# Allegro board BeagleBoard-xM.brd (continued)
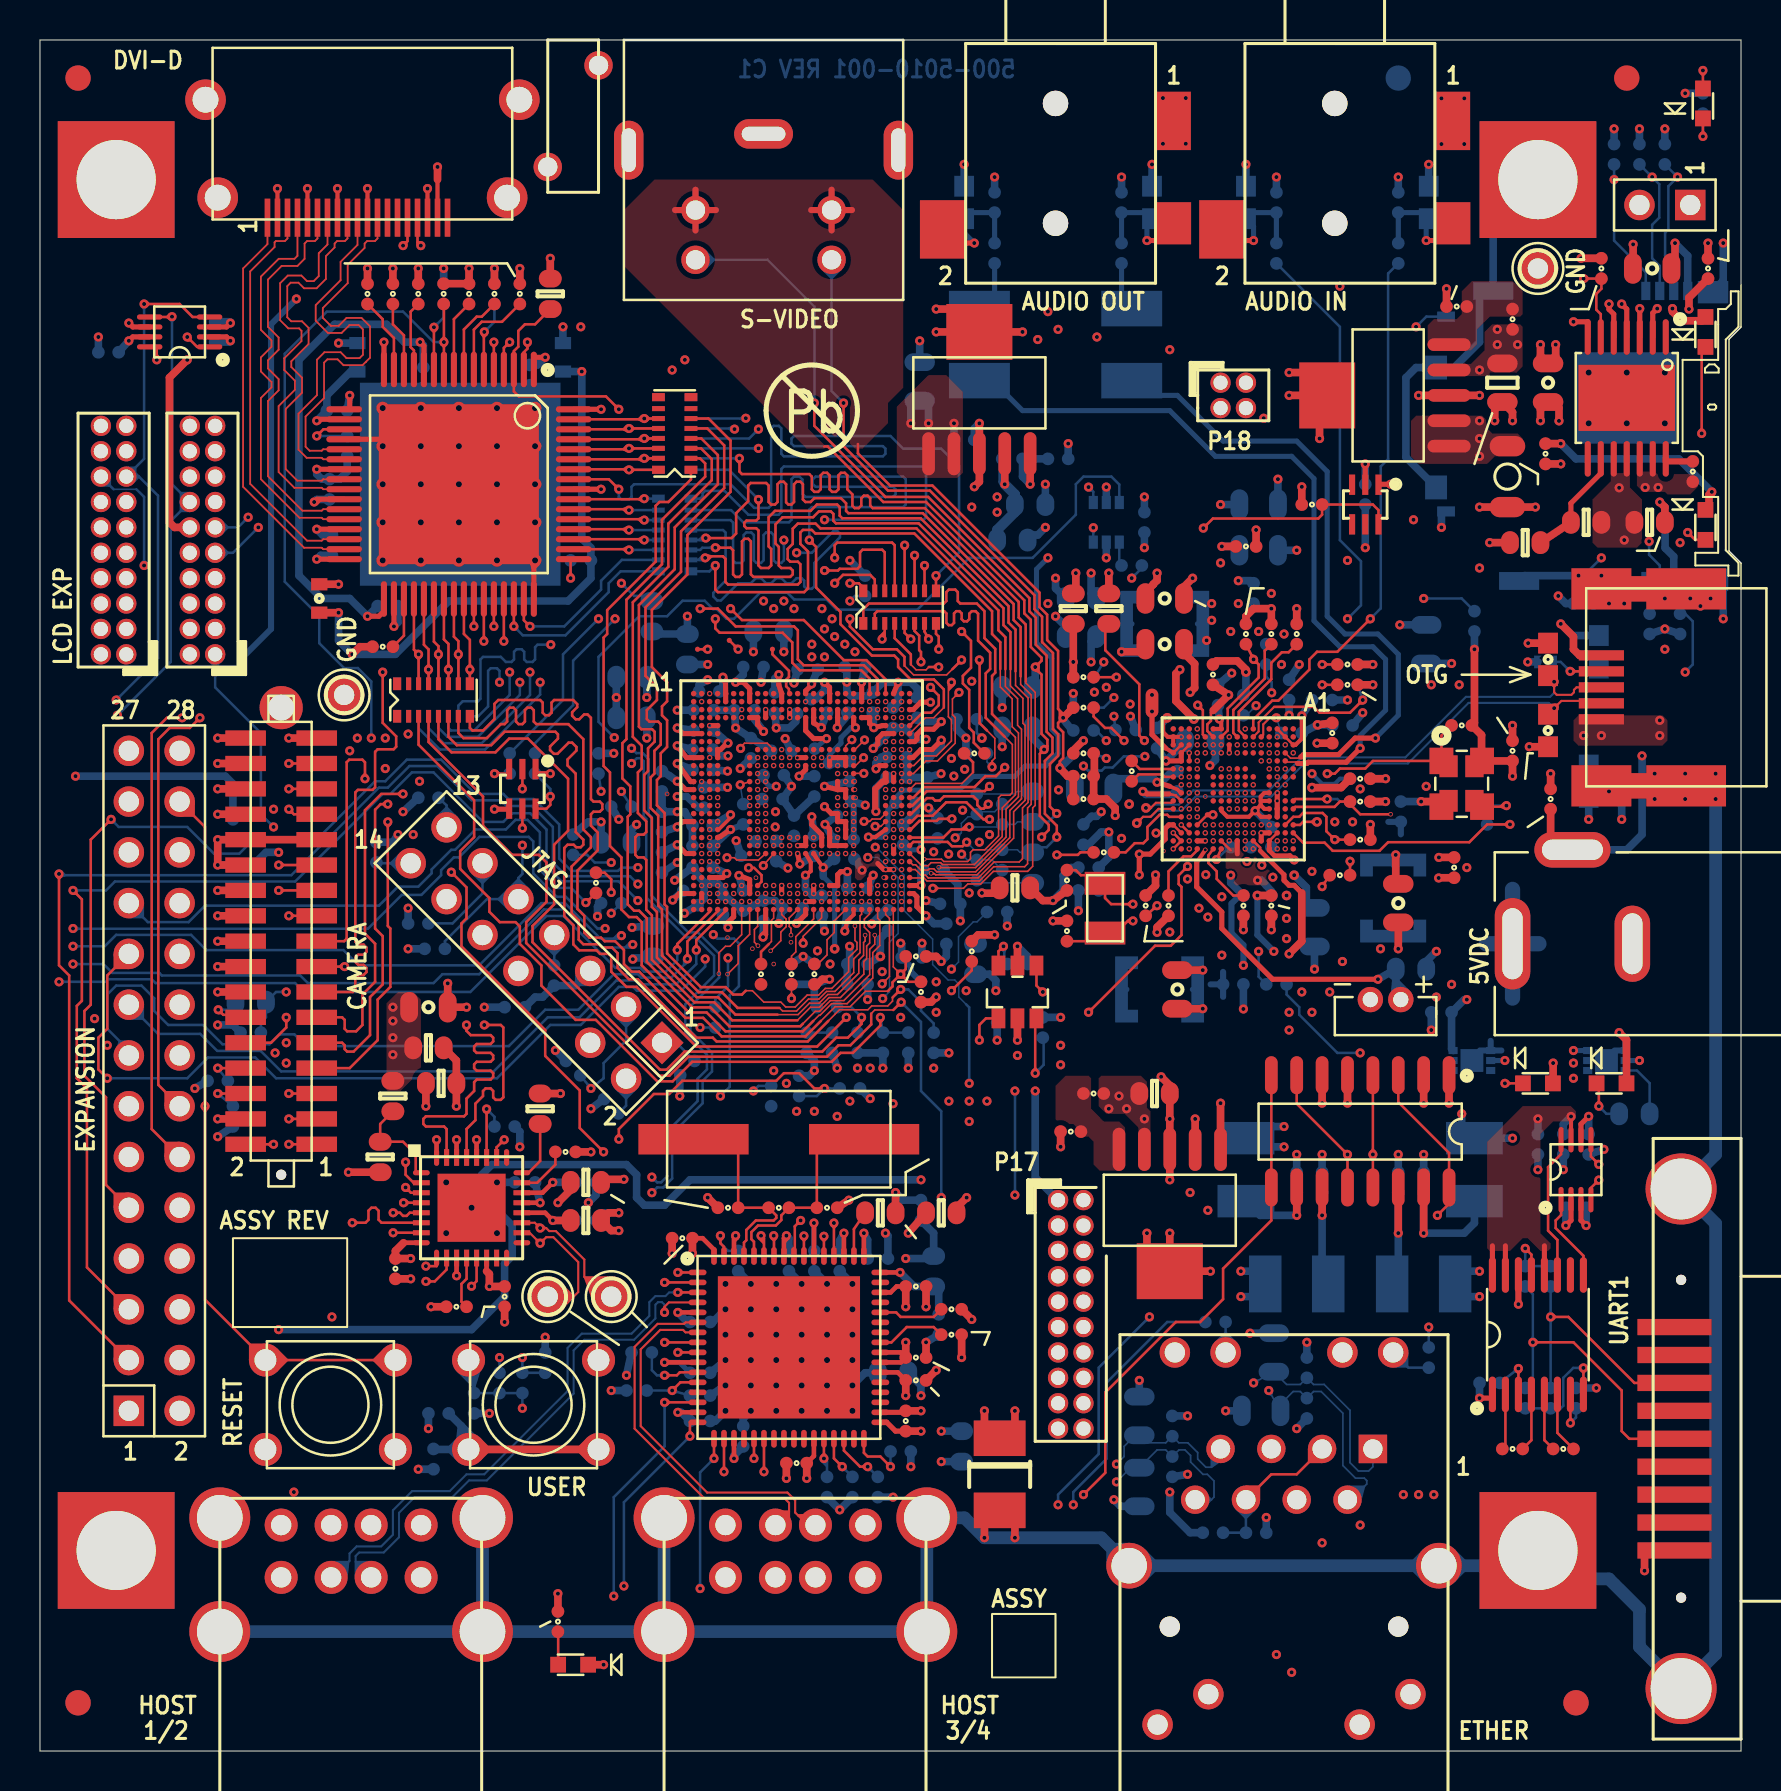
[diagram p0: board, top side]
## Routing (per net, layer and track width the routed paths; a pad name or vN(x,y) marks a point on that pad's centre or on a via; arc(x,y) is an arc through that point) (continued)
VBAT_MAIN: length 52.8
  TOP w0.381: v1(52.2,50.55) 52.18,50.55 51.69,50.05 R48.1
  LYR3-SIG w0.381: v1(56.52,70.1) 54.7,68.29 54.7,59.86 55.25,59.31 55.25,58.29 52.2,55.25 51.61,55.25 51.14,54.78 51.14,52.65 51.74,52.06 51.74,51 v1(52.2,50.55)
  LYR4-SIG w0.381: v1(56.52,70.1) 72.01,70.1
  LYR4-SIG w0.508: 73.91,71.12 76.07,71.12 76.45,70.74 77.17,70.74 77.51,71.08 77.51,72.43 78.49,73.41 78.49,75.31 79.38,76.2 81.41,76.2 J2.1
  vias: v1(72.01,69.09) v1(72.9,71.12) v1(72.9,70.36) v1(73.91,70.36)
VBUS1: length 97.3
  TOP w0.381: U13.15 v1(69.22,25.91)
  LYR3-SIG w0.381: v1(69.22,25.91) 71.25,23.88 71.25,11.81 70.23,10.79 69.22,10.79 64.52,6.1 64.52,3.56 62.61,1.65 57.66,1.65 56.9,2.41 55.25,2.41 53.72,0.89 17.53,0.89 10.67,7.75 10.67,9.91 P14.A1
  BOTTOM w0.381: C163.1 71.75,26.42 71.25,25.91 v1(69.22,25.91) C170.1
VBUS2: length 89.3
  TOP w0.381: 67.95,28.19 v1(67.95,25.91)
  LYR3-SIG w0.381: P14.B1 18.97,1.78 53.34,1.78 54.86,3.3 57.15,3.3 57.91,4.06 60.45,4.06 61.34,3.17 62.87,3.17 63.63,3.94 63.63,6.35 68.96,11.68 69.85,11.68 70.36,12.19 70.36,23.49 v1(67.95,25.91)
  BOTTOM w0.381: C162.1 67.95,23.67 v1(67.95,25.91) C173.1
VBUS3: length 57.6
  TOP w0.381: U13.11 v1(64.14,26.8)
  LYR3-SIG w0.381: v1(66.04,11.3) 66.55,11.81 66.55,12.95 67.82,14.22 67.82,16.51 66.42,17.91 66.42,23.88 64.14,26.16 v1(64.14,26.8)
  LYR4-SIG w0.381: v1(66.04,11.3) 62.74,11.3 62.23,10.79 56.31,10.79 55.6,11.51 53.42,11.51 51.56,9.65 42.55,9.65 42.16,10.03 35.56,10.03 P16.A1
  BOTTOM w0.381: C172.1 v1(64.14,26.8) 64.14,23.67 C161.1
VBUS4: length 55.5
  TOP w0.381: U13.10 v1(62.87,26.8)
  LYR3-SIG w0.381: v1(62.87,26.8) 62.87,25.91 64.01,24.77 64.01,17.78 65.41,16.38 65.41,14.48 64.14,13.21 v1(64.14,10.41)
  LYR4-SIG w0.381: P16.B1 35.48,7.49 41.78,7.49 43.05,8.76 51.69,8.76 53.72,10.79 55.3,10.79 56.06,10.03 63.75,10.03 v1(64.14,10.41)
  BOTTOM w0.381: C160.1 61.04,26.8 v1(62.87,26.8) C171.1
VBUS_5V0: length 64.5
  TOP w0.254: v1(80.9,72.16) 80.68,71.94 U2.2 ; U2.3 v1(80.03,72.16)
  TOP w0.381: v1(53.47,58.93) R57.1 ; R11.1 v1(75.56,48.9) ; v1(51.82,58.93) 51.82,58.04 C86.1
  LYR3-SIG w0.381: v1(81.03,50.8) v1(81.03,51.56) 81.03,54.86 v1(81.28,55.12) 81.86,55.12 84.12,57.38 84.12,59.18 83.62,59.69 83.62,62.05 83.06,62.61 83.06,64.95 83.69,65.58 83.69,69.37 81.45,71.62 81.43,71.62 80.9,72.15 v1(80.9,72.16) v1(80.03,72.16)
  LYR4-SIG w0.381: v1(81.28,55.12) 78.61,55.12 76.8,56.93 74.64,56.93 74.17,57.4 70.74,57.4 69.47,58.67 61.34,58.67 60.92,59.09 59.72,59.09 59.3,58.68 58.43,58.68 57.88,59.22 56.94,59.22 56.11,58.38 55.09,58.38 54.84,58.13 54.27,58.13 v1(53.47,58.93) 52.83,58.29 52.17,58.29 51.82,58.65 v1(51.82,58.93)
  vias: v1(77.22,50.8) v1(78.11,50.8)
VDD1: length 60.2
  TOP w0.254: v2(37.9,45.3) U4.Y15 U4.W15 ; U4.J15 U4.J14
  TOP w0.381: C112.1 67.82,43.51 v1(67.82,44.83)
  LYR2-GND w0.305: v3(61.09,46.33) 61.09,46.54 61.26,46.71 62.31,46.71 63.04,45.97 64.26,45.97 v1(64.77,46.48)
  LYR3-SIG w0.381: v1(67.82,44.83) 67.82,40.89 v1(67.06,40.13)
  LYR4-SIG w0.305: 45.26,40.11 44.63,40.11 44.31,39.79 42.89,39.79 42.43,40.25 41.83,40.25 40.68,39.09 39.8,39.09 v1(39.52,39.37)
  LYR4-SIG w0.381: v1(64.77,46.48) v1(65.66,46.48) ; 45.26,40.11 46.25,40.11 47.24,39.12 52.45,39.12 53.59,37.97 60.71,37.97 61.85,39.12 62.88,39.12 63.89,40.13 v1(67.06,40.13)
  LYR5-PWR w0.381: v1(36.79,46.99) 36.78,46.98 v1(36.78,46.23) 37.62,45.39 38.84,45.39 39.7,44.53 39.7,42.65 41.02,41.33 41.02,40.04 40.35,39.37 v1(39.52,39.37)
  BOTTOM w0.254: C15.2 36.2,48.56 36.5,48.26 v1(36.83,48.26)
  BOTTOM w0.305: 68.07,45.86 C110.1 67.45,46.48
  BOTTOM w0.381: C18.1 v1(30.35,50.67) ; C20.2 v1(35.03,49.15) ; C13.1 v1(30.35,52.7) ; v1(37.27,50.65) C24.2
  vias: v2(35.9,49.7) v2(35.9,48.9) v2(35.9,48.5) v2(35.9,47.3) v2(35.9,46.9) v2(35.9,45.7) v2(35.9,45.3) v2(36.3,49.7) v2(36.3,48.9) v2(36.3,48.5) v2(36.3,48.1) v2(36.3,47.3) v2(36.3,46.9) v2(36.3,46.5) v2(36.3,45.3) v2(36.7,49.7) v2(36.7,49.3) v2(36.7,45.7) v2(36.7,45.3) v2(37.1,45.7) v2(37.5,49.3) v2(37.89,49.69) v2(37.9,49.3)
VDD2: length 62.4
  TOP w0.127: U7.N13 58.39,46.84 ; v1(35.45,44.18) 35.72,44.18 36.09,43.82 36.09,43.49 U4.AE9
  TOP w0.254: U4.J4 U4.H4 34.05,50.1 34.37,50.42 v1(34.42,50.42) ; v1(39.24,47.24) 39.59,46.9 U4.T19 U4.U19 U4.U20 U4.V20 U4.W20 ; v1(39.34,50.65) 38.7,50.65 38.3,51.04 U4.D15 ; U4.K20 U4.J20 U4.J19 v3(39.5,49.7) U4.K18 ; U4.N19 U4.N20 U4.P20 ; U4.N19 v1(39.24,48.26) ; U4.N19 U4.M19 ; v1(39.27,46.36) 39.5,46.12 U4.W18 U4.Y18 U4.Y19 U4.Y20 ; U4.E25 42.15,51.3 v1(41.71,51.19) 41.5,51.4 U4.D23 U4.D22 ; v1(40.39,43.99) 40.06,43.99 39.9,43.84 U4.AE19 U4.AE18 ; 58.39,46.84 v1(58.67,46.84) ; v1(36.19,51) 35.9,51.35 U4.D9 U4.D8
  TOP w0.305: U4.L25 U4.M25 42.15,48.5 41.78,48.13 41.78,47.03 v1(41.82,47)
  TOP w0.381: v1(58.17,39.07) C118.1
  LYR2-GND w0.127: v3(38.7,45.3) 39.27,45.87 v1(39.27,46.36)
  LYR2-GND w0.254: v3(39.5,49.7) 39.5,50.52 v1(39.34,50.65)
  LYR3-SIG w0.127: v2(33.9,44.1) 34.1,44.3 35.02,44.3 35.14,44.18 v1(35.45,44.18) ; v1(40.39,43.99) 40.64,43.99 40.96,43.68 41.26,43.68 41.64,43.3 v2(41.9,43.3)
  LYR4-SIG w0.381: v1(58.67,46.84) 58.67,48.01 55.56,51.12 53.45,51.12 52.76,51.82 51.83,51.82 51.32,52.32 49.4,52.32 48.7,51.63 48.7,50.81 v1(48.13,50.24) 47.75,50.62 47.75,50.99 46.72,52.02 44.87,52.02 44.04,51.19 v1(41.71,51.19)
  BOTTOM w0.254: C41.2 v1(39.34,50.65)
  BOTTOM w0.305: C117.1 59.18,38.98 ; C117.1 58.56,38.35 ; C117.1 59.18,37.73
  BOTTOM w0.381: C54.2 41.82,48.17 v1(41.82,47) ; C47.2 v1(39.27,46.36) C43.2 ; v1(48.13,50.24) C39.1 ; C40.2 35.75,51.6 v1(36.19,51) ; v1(41.71,51.19) C53.2 ; v1(34.42,50.42) C38.2 ; 35.69,56.01 v1(35.69,54.99) ; v1(40.39,43.99) C42.2 ; C46.2 v1(39.24,48.26)
VDD18CORE: length 18.4
  TOP w0.229: U15.38 42.91,18.94 C186.2 ; U15.15 v1(31.91,16.94)
  TOP w0.381: C186.2 v1(43.31,17.78)
  LYR4-SIG w0.381: v1(31.91,16.94) 32.47,16.38 41.91,16.38 v1(43.31,17.78) v1(44.07,17.78)
  BOTTOM w0.381: C190.2 44.07,18.29 v1(44.07,17.78) ; C187.1 32.08,16.94 v1(31.91,16.94)
VDD18ETHPLL: length 4.5
  TOP w0.229: U15.48 v1(43.02,23.94)
  BOTTOM w0.381: v1(43.02,23.94) 43.73,23.24 L11.2 44.96,22.99 C197.1
VDD18USBPLL: length 13.5
  TOP w0.229: U15.62 34.72,25.7 v1(34.8,25.78)
  LYR3-SIG w0.254: v1(43.31,24.64) 39.4,24.64 38.89,25.15 35.43,25.15 v1(34.8,25.78)
  BOTTOM w0.381: v1(43.31,24.64) 44.58,24.64 L11.1 44.7,25.91 C196.2
VDD_MMC1: length 84.7
  TOP w0.254: v1(41.82,49.14) 41.98,49.3 U4.K25
  TOP w0.381: v1(82.49,72.14) 82.49,72.71 C145.1 ; v1(81.79,75.44) 81.79,74.35 C144.1
  LYR3-SIG w0.254: v1(62.48,51.82) 62.48,51.33 v2(61.89,50.73)
  LYR3-SIG w0.305: v1(62.48,51.82) 62.48,52.15 63.32,52.98 63.32,53.52 63.65,53.85 65,53.85 66.04,54.89 66.04,58.93 v1(65.41,59.56)
  LYR3-SIG w0.381: v1(81.28,56.13) 82,56.86 82,60.41 v1(82.04,60.45) ; v1(45.59,49.66) 45.78,49.85 45.78,50.97 46.15,51.33 46.15,51.87 47.54,53.25 47.54,57.75 46.61,58.67 v1(46.61,62.23)
  LYR4-SIG w0.254: v1(45.59,49.66) 44.59,49.66 44.32,49.39 42.08,49.39 v1(41.82,49.14)
  LYR4-SIG w0.381: v1(81.28,56.13) 78.74,56.13 77.09,57.79 v1(75.95,57.79) 75.06,57.79 74.55,58.29 70.99,58.29 69.72,59.56 v1(65.41,59.56) 63.31,61.66 58.67,61.66 58.36,61.98 50.04,61.98 49.4,61.34 47.5,61.34 v1(46.61,62.23)
  BOTTOM w0.381: v1(62.48,51.82) C125.1 ; 82.04,55.88 v1(81.28,56.13) 80.52,55.88 ; C68.1 42.08,49.72 41.82,49.44 v1(41.82,49.14) ; R75.1 v1(78.74,81.15) ; R73.1 76.33,57.4 v1(75.95,57.79) ; v1(81.79,75.44) 82.43,74.8 P7.4 ; R74.1 v1(80.01,81.15) ; R76.1 v1(81.28,81.15)
VDD_PLL1: length 44.2
  TOP w0.203: v1(39.18,44.2) 38.8,44.72 38.76,44.81 U4.AA16
  TOP w0.254: U4.K15 38.3,49.1 v1(37.97,48.77)
  TOP w0.381: v4(60.9,42.8) C121.1
  LYR2-GND w0.203: v3(59.89,45.93) 59.78,45.82 59.78,44.36 60.45,43.69 60.45,43.24 v4(60.9,42.8)
  LYR3-SIG w0.203: v1(37.97,48.77) 38.23,48.51 38.23,47.18 38.1,47.05 38.1,46.55 38.67,45.97 38.67,44.7 v1(39.18,44.2)
  LYR4-SIG w0.305: v1(61.72,40.01) 60.45,38.73 58.8,38.73 58.62,38.56 53.96,38.56 52.77,39.75 47.75,39.75 46.51,41 42.85,41 42.65,40.79 41.72,40.79 40.65,39.73 40.16,39.73 v4(39.75,40.13)
  BOTTOM w0.254: 39.18,43.75 39.75,43.18 v4(39.75,40.13)
  BOTTOM w0.305: v4(60.9,42.8) 60.9,40.83 v1(61.72,40.01)
  BOTTOM w0.381: C71.2 v1(37.97,48.77) ; 39.18,43.75 v1(39.18,44.2) C72.2
VDD_PLL2: length 33.1
  LYR2-GND w0.203: v3(59.49,45.53) 59.49,43.89 v1(59.56,43.81)
  LYR2-GND w0.254: v3(43.1,43.3) 43.29,43.3 43.91,42.67 44.2,42.67 v1(44.32,42.55)
  LYR3-SIG w0.254: v1(41.61,41.38) 41.61,41.59 41.05,42.14 v2(40.7,42.5)
  LYR4-SIG w0.305: v1(60.2,39.31) 58.64,39.31 58.38,39.57 57.8,39.57 57.28,39.05 54.36,39.05 53.02,40.39 49.59,40.39 48.96,41.02 48.96,41.52 48.44,42.04 45.21,42.04 44.7,42.55 v1(44.32,42.55) 43.36,41.58 42.44,41.58 42.24,41.38 v1(41.61,41.38)
  BOTTOM w0.305: C120.1 60.01,42.8 59.6,42.39 59.6,40.92 60.2,40.32 v1(60.2,39.31)
  BOTTOM w0.381: v1(59.56,43.81) 59.56,43.43 C120.1 ; C73.2 v1(44.32,42.55) ; C74.2 42.28,42.06 41.61,41.39 v1(41.61,41.38)
VDD_SIM: length 33.8
  TOP w0.076: v1(47.62,49.23) 47.62,49.53 47.76,49.67 47.76,50.66 47.37,51.05
  TOP w0.127: C123.1 v1(60.71,54.61) 60.96,54.36 60.96,53.7 59.41,52.15 59.41,51.05 U7.K2 ; v1(46.99,54.58) 47,54.57 47,51.42 47.37,51.05
  LYR3-SIG w0.076: v1(47.62,49.23) 47.4,49 47.4,48.68 46.48,47.76 45.27,47.76 45.12,47.92 43.85,47.92 43.37,47.43 42.56,47.43 v2(42.3,47.7)
  LYR4-SIG w0.127: v1(60.71,54.61) 60.2,54.61 59.96,54.37 57.52,54.37 56.9,54.99 54.97,54.99 54.31,54.33 53.81,54.33 53.54,54.06 52.4,54.06 52.16,54.31 52.16,54.67 51.93,54.9 47.31,54.9 v1(46.99,54.58)
  BOTTOM w0.076: v1(47.62,49.23) 47.37,49.48 C70.1
VINTANA1.OUT: length 3.2
  LYR3-SIG w0.127: v2(59.89,50.33) 59.99,50.44 59.99,51.46 v1(60.83,52.3)
  BOTTOM w0.076: v1(60.83,52.3) 60.35,51.82 60.2,51.82
VINTANA2.OUT: length 7.6
  LYR3-SIG w0.127: v2(59.49,50.73) 59.63,50.6 59.63,50.16 59.75,50.04 60.2,50.04 61.42,48.82 61.98,48.82 v2(62.29,49.13) 62.53,48.9 v1(63.63,48.9)
  BOTTOM w0.203: v1(63.63,48.9) 64.14,48.39 64.77,48.39 65.02,48.64 C135.1
VINTDIG: length 3.4
  TOP w0.127: C133.1 59.69,42.8 58.86,43.62 58.86,44.01 58.45,44.42 58.45,44.8 U7.L16
VINTUSB1P5: length 7.3
  TOP w0.127: v1(54.23,50.55) 53.59,51.18 53.28,51.18 52.71,51.75 C130.1
  LYR2-GND w0.076: 54.86,49.2 55.08,48.98 56.25,48.98 56.83,48.4 56.83,48.25 56.97,48.11 57.26,48.11 v3(57.49,48.33)
  LYR2-GND w0.127: 54.86,49.2 54.36,49.71 54.36,50.06 54.23,50.19 v1(54.23,50.55)
VINTUSB1P8: length 5.7
  LYR2-GND w0.076: v3(57.49,47.53) 57.27,47.75 56.74,47.75 56.4,48.1 55.71,48.1 55.22,48.59 54.86,48.59
  LYR2-GND w0.127: v1(53.34,49.66) 53.69,49.66 54.76,48.59 54.86,48.59
  BOTTOM w0.127: C129.1 v1(53.34,49.66)
26MHZ: length 2.2
  TOP w0.127: Y1.3 73.3,47.24 v1(73.36,47.29)
  BOTTOM w0.127: R56.1 72.47,47.29 v1(73.36,47.29)
32KCLKOUT: length 28.7
  TOP w0.127: v1(52.45,36.96) 55.78,40.28 56.57,40.28 57.1,40.82 57.1,43.23 56.96,43.37 56.96,43.81 v1(57.4,44.25)
  LYR2-GND w0.127: v3(57.89,47.53) 58.14,47.28 58.14,46.59 57.74,46.19 57.74,44.89 57.41,44.56 v1(57.4,44.25)
  LYR3-SIG w0.076: v1(46.33,38.04) 45.97,38.39 45.97,39.88 44.48,41.38 44.09,41.38 43.46,42.01 43.46,43.26 42.8,43.93 42.55,43.93 42.44,43.81 42.44,43.44 v2(42.3,43.3)
  LYR4-SIG w0.127: v1(52.45,36.96) 51.85,37.55 46.81,37.55 v1(46.33,38.04)
232_C1+: length 2.8
  TOP w0.127: C148.1 73.3,15.27 U9.2
232_C1-: length 2.9
  TOP w0.127: U9.4 74.6,15.55 C148.2
232_C2+: length 2.9
  TOP w0.127: U9.5 75.26,15.55 C150.1
232_C2-: length 3.1
  TOP w0.127: U9.6 75.91,15.92 C150.2
232_PIN2: length 12.6
  TOP w0.127: v1(75.56,21.72) 76.45,21.72 79.76,18.41 P8.2
  BOTTOM w0.127: R80.2 v1(75.56,21.72) R78.2
232_PIN3: length 15.7
  TOP w0.127: P8.3 79.5,15.62 79.12,16 79.12,18.03 76.71,20.45 v1(74.68,20.45)
  BOTTOM w0.127: R82.2 74.68,18.54 v1(74.68,20.45) 74.68,22.86 R79.2
232_V+: length 2.5
  TOP w0.127: U9.3 v1(73.95,19.14)
  BOTTOM w0.127: 73.03,18.41 v1(73.95,19.14)
232_V-: length 2.3
  TOP w0.127: U9.7 v1(76.56,16.41)
  BOTTOM w0.127: C149.1 76.84,16.69 v1(76.56,16.41)
232OE: length 2.2
  TOP w0.254: v1(77.47,31.75) 77.08,31.36 U10.6
  BOTTOM w0.381: R81.2 v1(77.47,31.75)
410_NC: length 2
  TOP w0.127: v1(26.54,58.67) 26.54,59.62 U11.49
  BOTTOM w0.127: R89.2 v1(26.54,58.67)
3320_NC: length 2.7
  TOP w0.127: C209.1 21.08,22.48 21.08,23.37 21.34,23.63 U14.12
ADCIN3: length 9.3
  LYR2-GND w0.127: v3(57.49,47.13) 57.07,46.71
  LYR2-GND w0.254: 57.07,46.71 56.46,46.71 56.13,46.38 55.6,46.38 55.14,45.92 54.64,45.92 54.42,46.14 53.63,46.14 v1(53.47,45.97)
  BOTTOM w0.381: R49.2 52.45,45.34 53.09,45.97 v1(53.47,45.97) 53.47,44.7 C84.1 R53.1
ADCIN5: length 8.9
  TOP w0.381: R48.2 52.74,49.87 52.74,48.81 C83.1 R52.1 53.34,47.62 53.78,47.18 v1(53.78,46.8)
  LYR3-SIG w0.178: v2(57.89,47.13) 57.48,47.13 57.12,46.77
  LYR3-SIG w0.203: 57.12,46.77 56.71,46.36 55.5,46.36 55.12,45.97 54.61,45.97 v1(53.78,46.8)
AUTOMDIX_EN: length 3.5
  TOP w0.127: U15.41 42.59,20.44 43.36,21.21 44.7,21.21 R118.2
AUX_3V3: length 161
  TOP w0.127: D5.2 v1(83.19,84.07)
  TOP w0.203: U10.7 v1(76.59,31.74)
  TOP w0.254: U9.16 72.65,25.27 ; U9.15 73.3,25.27 ; U9.12 75.26,25.27
  TOP w0.381: 20.19,73.41 21.46,73.41 v1(21.46,74.17) ; 16.38,73.41 v1(16.38,74.17) ; 24,73.41 v1(24,74.17) ; R88.1 16,55.25 v1(15.62,54.86) ; L8.1 v1(14.94,56.95) ; 22.73,73.41 v1(22.73,74.17)
  LYR3-SIG w0.381: v1(76.59,31.74) 79.25,34.41 79.25,35.05 81.66,37.46 81.66,45.75 80.14,47.27 80.14,48.39 79.25,49.28 79.25,56.39 79.88,57.02 79.88,59.18 79.25,59.82 v1(79.25,60.58) 80.33,61.66 81.09,61.66 81.66,62.23 81.66,65.02 80.52,66.17 80.52,69.47 79.25,70.74 78.61,70.74 77.76,71.59 77.76,76.71 83.19,82.13 v1(83.19,84.07)
  LYR4-SIG w0.381: v1(78.99,63.2) 76.38,63.2 75.35,64.22 71.67,64.22 69.6,66.29 63.63,66.29 63.25,65.91 58.93,65.91 57.66,67.18 49.15,67.18 46.48,69.85 43.82,69.85 42.93,70.74 27.56,70.74 v1(27.05,71.25)
  BOTTOM w0.381: v1(76.59,31.74) 76.2,31.36 C143.1 ; L9.1 v1(27.1,69.01) 27.1,60.66 27.56,60.2 R89.1 27.56,58.67 26.42,57.53 20.45,57.53 17.78,54.86 v1(15.62,54.86) 14.94,55.55 v1(14.94,56.95) ; 22.73,73.41 v1(22.73,74.17) ; L7.1 v1(14.94,70.43) ; C146.2 v1(74.93,31.62)
AUX_3V3_DIS: length 60.8
  TOP w0.127: v1(55.88,42.29) R54.1
  LYR2-GND w0.127: v3(57.89,46.73) 57.89,46.71 v2(56.2,45.02)
  LYR3-SIG w0.076: 55.44,44.26 55.44,43.31
  LYR3-SIG w0.127: v1(71.37,44.2) 71.37,45.42 70.61,46.18 70.61,51.44 68.71,53.34 v1(68.71,61.59) ; 55.44,43.31 55.44,42.74 v1(55.88,42.29) ; v2(56.2,45.02) 55.44,44.26
  LYR4-SIG w0.127: v1(55.88,42.29) 56.46,41.71 56.85,41.71 57.35,41.2 59.21,41.2 59.92,41.91 60.76,41.91 62.15,43.31 63.32,43.31 63.83,42.8 69.98,42.8 v1(71.37,44.2) ; v1(68.71,61.59) 67.44,61.59 66.21,62.83 58.46,62.83 57.53,63.75 52.97,63.75 v1(52.45,63.23)
  BOTTOM w0.127: U18.1 52.69,62.99 v1(52.45,63.23)
AUX_ADC: length 39.3
  LYR3-SIG w0.076: 54.86,47.62 55.63,47.62 55.75,47.5 57.79,47.5 57.89,47.6 v2(57.89,47.93) ; 52.71,18.03 51.82,18.03 P17.17
  LYR3-SIG w0.127: 54.86,47.62 54.61,47.88 52.96,47.88 52.67,47.59 52.67,41.74 51.88,40.96 51.88,32.96 54.23,30.61 54.23,19.56 52.71,18.03
AUXL: length 27.1
  TOP w0.127: U7.F1 60.69,51.6 61.64,52.55 61.95,52.55 63.5,54.1 63.5,54.61 63.88,54.99 64.9,54.99 v1(66.55,56.64)
  BOTTOM w0.127: 67.95,74.42 67.44,73.91 67.44,64.63 67.07,64.26 67.07,57.16 v1(66.55,56.64)
AUXR: length 28.6
  LYR3-SIG w0.076: 61.23,52.14 60.29,51.2 v2(60.29,51.13)
  LYR3-SIG w0.127: 61.23,52.14 61.23,52.63 61.09,52.77 61.09,53.2 61.67,53.78 61.67,54.64 62.03,54.99 63.75,54.99 v1(65.41,56.64)
  BOTTOM w0.127: 61.85,74.42 65.02,71.25 65.02,60.58 66.08,59.52 66.08,57.32 v1(65.41,56.64)
BKBAT: length 17.2
  TOP w0.203: 57.86,44.44 v3(58.29,45.09)
  TOP w0.254: v1(66.93,38.61) 61.66,38.61 59.12,41.15 59.12,41.97 57.86,43.23 57.86,44.44
  LYR2-GND w0.178: v3(58.29,45.93) 58.01,45.65 58.01,45.37 v3(58.29,45.09)
  BOTTOM w0.381: BT1.1 67.82,37.85 R65.1 v1(66.93,38.61)
BSEL: length 3.8
  TOP w0.127: U11.15 17.71,70.69 17.14,71.25 17.14,71.63 R93.2
CAM_CLKA: length 54.8
  TOP w0.127: P10.2 v1(11.68,30.35)
  LYR2-GND w0.076: 42.05,54.13 42.05,53.37 42.55,52.87 42.55,52.34 v3(42.3,52.1)
  LYR2-GND w0.127: 42.05,54.13 42.05,54.39 40.56,55.88 40.3,55.88 39.97,56.21 39.32,56.21 v1(39.24,56.13)
  LYR3-SIG w0.127: v1(17.27,50.67) 17.27,49.97 16.77,49.47 16.77,48.56 16.19,47.98 16.19,42.16 14.8,40.77 14.8,36.2 12.51,33.91 12.26,33.91 11.68,33.34 v1(11.68,30.35)
  LYR4-SIG w0.076: 34.2,55.78 33.05,55.78 32.51,55.25 31.5,55.25 30.23,53.98 28.32,53.98 25.69,51.35 25.43,51.35
  LYR4-SIG w0.127: 25.43,51.35 22.07,51.35 21.78,51.05 19.75,51.05 19.11,50.42 17.53,50.42 v1(17.27,50.67) ; v1(39.24,56.13) 39.18,56.07 34.79,56.07 34.49,55.78 34.2,55.78
CAM_CORE: length 128.4
  TOP w0.381: 70.74,43.69 69.98,43.69 v1(69.96,43.68) ; 10.29,48.13 v1(8.89,48.13) ; 10.29,49.4 v1(8.89,49.4)
  LYR3-SIG w0.305: v1(61.67,43.71) 61.67,44.55 61.09,45.13 v2(60.29,45.13)
  LYR3-SIG w0.381: v1(57.53,27.94) 57.53,26.67 58.04,26.16 58.93,26.16 60.58,27.81 60.58,30.48 66.55,36.45 68.33,36.45 69.22,37.34 69.22,40.51 69.47,40.77 69.47,43.18 v1(69.96,43.68) ; v1(8.89,49.4) v1(8.89,48.13) 9.53,47.5 9.53,27.81 11.94,25.4 v1(11.94,21.08)
  LYR4-SIG w0.381: v1(57.53,27.94) 56.26,27.94 55.63,28.58 v1(44.07,28.58) ; v1(61.67,43.71) 61.67,44.55 62.22,45.1 63.58,45.1 65,43.68 v1(69.96,43.68)
  BOTTOM w0.381: v1(11.94,21.08) 21.59,21.08 23.24,22.73 23.24,24.38 23.62,24.77 23.62,26.29 22.1,27.81 22.1,28.83 22.61,29.34 29.34,29.34 29.84,28.83 29.84,27.69 30.23,27.3 31.24,27.3 32.51,28.58 v1(44.07,28.58)
CAM_D0: length 54.5
  TOP w0.127: 13.84,44.32 v1(11.94,44.32)
  LYR2-GND w0.076: v1(38.89,40.03) 38.86,40.06 38.86,41.17 39.1,41.41 v3(39.1,42.5)
  LYR3-SIG w0.127: v1(11.76,34.92) 11.33,34.92 11.15,34.75 11.15,33.3 11.02,33.17 10.79,33.17 10.67,33.3 10.67,41.15 10.79,41.27 11.11,41.27 11.24,41.4 11.24,41.66 11.11,41.78 10.79,41.78 10.67,41.91 10.67,42.16 10.79,42.29 11.11,42.29 11.24,42.42 11.24,42.67 11.11,42.8 10.79,42.8 10.67,42.93 10.67,43.18 10.79,43.31 11.11,43.31 11.24,43.43 11.24,43.69 11.11,43.81 10.79,43.81 10.67,43.94 10.67,44.2 10.79,44.32 v1(11.94,44.32)
  LYR4-SIG w0.076: v1(38.89,40.03) 38.67,39.81 38.67,39.5 38.45,39.27 35.46,39.27 34.51,38.32
  LYR4-SIG w0.127: v1(11.76,34.92) 16.66,34.92 16.99,35.26 17.96,35.26 18.44,34.77 18.69,34.77 18.84,34.92 18.84,35.47 18.99,35.62 19.2,35.62 19.35,35.47 19.35,34.92 19.5,34.77 19.71,34.77 19.86,34.92 19.86,35.47 20.01,35.62 20.22,35.62 20.37,35.47 20.37,34.92 20.52,34.77 24.68,34.77 26.54,36.64 27.24,36.64 28.83,38.23 34.42,38.23 34.51,38.32
CAM_D1: length 54.5
  TOP w0.076: U4.AH17 39.1,41.68 38.18,40.76 v1(38.18,40.41)
  TOP w0.127: 13.84,43.05 v1(11.94,43.05)
  LYR3-SIG w0.127: v1(11.94,43.05) 11.68,42.8 11.68,41.53 12.04,41.17 12.87,41.17 13.02,41.02 13.02,40.81 12.87,40.66 11.25,40.66 11.13,40.53 11.13,40.28 11.25,40.15 12.87,40.15 13.02,40 13.02,39.79 12.87,39.64 11.28,39.64 11.15,39.52 11.15,39.26 11.28,39.14 12.89,39.14 13.02,39.01 13.02,38.76 12.89,38.63 11.83,38.63 11.68,38.48 11.68,36.07 v1(12.32,35.43)
  LYR4-SIG w0.076: 34.12,38.7 35.24,39.81 37.58,39.81 v1(38.18,40.41)
  LYR4-SIG w0.127: v1(12.32,35.43) 13.49,35.43 13.64,35.58 13.64,36.26 13.77,36.39 14.02,36.39 14.15,36.26 14.15,35.58 14.3,35.43 14.51,35.43 14.66,35.58 14.66,36.26 14.79,36.39 15.04,36.39 15.17,36.26 15.17,35.58 15.32,35.43 15.53,35.43 15.68,35.58 15.68,36.26 15.8,36.39 16.06,36.39 16.18,36.26 16.18,35.58 16.33,35.43 16.59,35.43 17.26,36.11 20.41,36.11 21.37,35.15 24.54,35.15 26.48,37.08 27.05,37.08 28.57,38.61 34.04,38.61 34.12,38.7
CAM_D2: length 54.6
  TOP w0.127: 13.84,41.78 v1(12.45,41.78)
  LYR2-GND w0.076: v3(41.9,52.5) 41.66,52.74 41.66,53.72 41.5,53.87 41.5,54.13
  LYR2-GND w0.127: v1(40.26,55.37) 40.26,54.91 40.59,54.57 41.15,54.57 41.31,54.41 41.5,54.21 41.5,54.13
  LYR3-SIG w0.127: v1(11.68,47.12) 11.18,47.12 11.05,46.99 11.05,45.59 11.18,45.47 12.32,45.47 12.45,45.34 v1(12.45,41.78)
  LYR4-SIG w0.076: 25.43,49.56 26.06,49.56 26.85,50.34 27.3,50.34 27.41,50.44 27.41,51.28 28.19,52.07 30.68,52.07 31.6,52.98 38.05,52.98 38.23,53.16 38.23,53.75 38.38,53.9 39.22,53.9 39.45,54.13
  LYR4-SIG w0.127: v1(11.68,47.12) 12.36,46.44 13.94,46.44 14.09,46.59 14.09,48.24 14.24,48.39 14.45,48.39 14.6,48.24 14.6,46.59 14.74,46.44 14.96,46.44 15.1,46.59 15.1,48.24 15.25,48.39 15.46,48.39 15.61,48.24 15.61,46.59 15.76,46.44 16.01,46.44 16.43,46.86 16.43,48.09 16.56,48.22 17.41,48.22 17.88,48.69 18.49,48.69 18.73,48.93 19.24,48.93 19.44,48.73 21.98,48.73 22.56,49.31 23.06,49.31 23.19,49.19 23.19,48.93 23.32,48.81 24.22,48.81 24.96,49.56 25.43,49.56 ; v1(40.26,55.37) 40.26,54.94 39.45,54.13
CAM_D3: length 54.5
  TOP w0.127: 13.84,40.51 15.21,40.51 15.34,40.64 15.34,49.47 15.47,49.59 16.13,49.59 16.26,49.47 v1(16.26,48.64)
  LYR2-GND w0.076: v3(41.9,52.1) 41.67,51.87 41.01,51.87 40.87,52 40.87,52.43 39.99,53.31 39.99,54.05
  LYR2-GND w0.127: v1(39.24,54.74) 39.3,54.74 39.99,54.05
  LYR4-SIG w0.076: 37.45,54.13 37.35,54.03 37.35,53.34 37.22,53.21 36.6,53.21 36.47,53.34 36.47,53.87 36.35,54 35.65,54 35.56,53.91 35.56,53.3 35.47,53.21 35.34,53.21 35.26,53.3 35.26,53.91 35.17,54 34.7,54 34.61,54.09 34.01,54.09 33.77,53.85 33.77,53.34 33.66,53.23 33.02,53.23 32.93,53.31 32.93,53.66 32.85,53.75 32.72,53.75 32.63,53.66 32.63,53.31 32.54,53.23 32.41,53.23 32.32,53.31 32.32,53.66 32.24,53.75 32.11,53.75 32.02,53.66 32.02,53.31 31.93,53.23 31.51,53.23 30.61,52.32 29.98,52.32 29.9,52.41 29.9,52.87 29.81,52.96 29.68,52.96 29.59,52.87 29.59,52.41 29.5,52.32 28.07,52.32 27.13,51.38 27.13,50.75 26.97,50.6 26.75,50.6 25.96,49.81 25.43,49.81
  LYR4-SIG w0.127: v1(39.24,54.74) 38.77,54.27 37.59,54.27 37.45,54.13 ; v1(16.26,48.64) 16.05,48.84 14.16,48.84 14.03,48.97 14.03,49.17 14.16,49.3 16.61,49.3 16.74,49.17 16.74,48.77 16.87,48.64 17.4,48.64 17.78,49.02 18.39,49.02 18.55,49.19 19.42,49.19 19.62,48.98 21.74,48.98 22.33,49.57 23.28,49.57 23.77,49.07 24.12,49.07 24.86,49.81 25.43,49.81
CAM_D4: length 54.6
  TOP w0.127: 13.84,39.24 v1(15.24,39.24)
  LYR2-GND w0.076: v3(41.9,51.7) 41.88,51.72 40.94,51.72 40.72,51.94 40.72,52.32 39.84,53.2 39.84,53.84 39.55,54.13
  LYR2-GND w0.127: v1(38.61,54.74) 39.03,54.32 39.36,54.32 39.55,54.13
  LYR3-SIG w0.127: v1(15.24,39.24) 15.24,37.08 15.37,36.96 15.68,36.96 15.81,37.08 15.81,37.91 16.57,38.67 16.57,38.98 16.42,39.13 15.94,39.13 15.81,39.26 15.81,39.51 15.94,39.64 16.42,39.64 16.57,39.79 16.57,40 16.42,40.15 15.3,40.15 15.18,40.27 15.18,40.53 15.3,40.65 16.42,40.65 16.57,40.8 16.57,47.82 17.27,48.51 v1(17.27,49.15)
  LYR4-SIG w0.076: 34.2,54.44 34.04,54.44 33.58,53.99 33.03,53.99 32.94,54.08 32.94,54.39 32.85,54.48 32.73,54.48 32.64,54.39 32.64,54.08 32.55,53.99 32.42,53.99 32.33,54.08 32.33,54.39 32.24,54.48 31.88,54.48 31.75,54.36 31.75,53.59 31.62,53.47 31.39,53.47 30.89,52.96 30.68,52.96 30.43,53.21 29.57,53.21 29.34,52.98 29.13,52.98 28.91,53.21 28.57,53.21 26.86,51.5 26.86,51.04 25.88,50.06 25.43,50.06
  LYR4-SIG w0.127: 34.2,54.44 34.82,54.44 34.97,54.29 36.07,54.29 36.39,54.61 36.7,54.61 36.89,54.42 37.23,54.42 37.87,55.05 38.29,55.05 v1(38.61,54.74) ; 25.43,50.06 24.75,50.06 24.51,49.82 24.26,49.82 24.15,49.93 24.15,50.34 24.02,50.47 23.83,50.47 23.7,50.34 23.7,49.95 23.57,49.82 23.37,49.82 23.24,49.95 23.24,50.34 23.11,50.47 22.89,50.47 22.76,50.34 22.76,49.95 22.63,49.82 22.07,49.82 21.49,49.24 19.77,49.24 19.57,49.44 17.56,49.44 v1(17.27,49.15)
CAM_D5: length 54.6
  TOP w0.127: v1(17.14,53.98) 17.14,51.44 17.82,50.76 17.82,50.24 17.69,50.11 16.89,50.11 16.76,49.99 16.76,48.21 16.64,48.08 15.9,48.08 15.77,47.96 15.77,40.49 15.92,40.34 16.18,40.34 16.33,40.2 16.33,39.98 16.18,39.84 15.92,39.84 15.77,39.69 15.77,39.48 15.92,39.33 16.18,39.33 16.33,39.18 16.33,38.97 16.18,38.82 15.92,38.82 15.77,38.67 15.77,38.1 15.65,37.97 13.84,37.97 ; U4.A25 42.3,53.61 41.34,54.57 40.21,54.57 38.21,56.58 35.12,56.58 v1(34.54,57.15)
  LYR4-SIG w0.076: 34.2,57.79 31.5,57.79 29.34,55.63 28.8,55.63 28.68,55.5 28.68,55.3 28.59,55.21 28.08,55.21 25.49,52.62 25.43,52.62
  LYR4-SIG w0.127: v1(34.54,57.15) 35.51,57.15 35.64,57.28 35.64,57.66 35.51,57.79 34.2,57.79 ; v1(17.14,53.98) 18.9,53.98 19.43,53.44 19.43,52.76 19.57,52.62 25.43,52.62
CAM_D6: length 54.8
  TOP w0.076: v1(45.59,53.47) 45.44,53.31 45.44,51.74 45.59,51.59 45.59,50.53 44.84,49.78 44.2,49.78 43.71,49.3 U4.K28
  TOP w0.127: v1(18.16,47.88) 17.07,47.88 16.26,47.07 16.26,40.89 16.76,40.39 16.76,38.48 16.13,37.85 16.13,36.32 15.81,36 15.37,36 15.24,36.13 15.24,36.58 15.11,36.7 13.84,36.7
  LYR4-SIG w0.076: 25.43,48.16 25.75,48.16 27.18,49.59 28,49.59 28.19,49.78 28.19,50.93 28.57,51.31 31.48,51.31 31.72,51.55 32.56,51.55 32.68,51.66 32.68,51.79 32.37,52.1 32.37,52.22 32.46,52.31 32.59,52.31 32.77,52.13 32.96,52.13 33.21,52.39 38.23,52.39 38.73,51.88 40.77,51.88 41.47,52.58 42.99,52.58 44.25,53.84 45.22,53.84 v1(45.59,53.47)
  LYR4-SIG w0.127: 25.43,48.16 25.25,48.16 24.49,47.4 23.75,47.4 23.22,47.92 19.41,47.92 19.15,47.66 18.38,47.66 v1(18.16,47.88)
CAM_D7: length 54.6
  TOP w0.076: U4.L28 43.69,48.9 44.32,49.53 44.89,49.53 45.78,50.42 45.78,51.7 45.64,51.84 45.64,52.63 v1(45.97,52.96)
  TOP w0.127: 13.84,35.43 15.11,35.43 15.24,35.31 15.24,35.12 15.37,34.99 15.68,34.99 16.51,35.81 16.51,37.72 17.14,38.35 17.14,40.77 16.76,41.15 16.76,47.09 17.04,47.37 v1(17.4,47.37)